# Altium PCB mchf_pro_ui.PcbDoc (part 3 of 5) (continued)
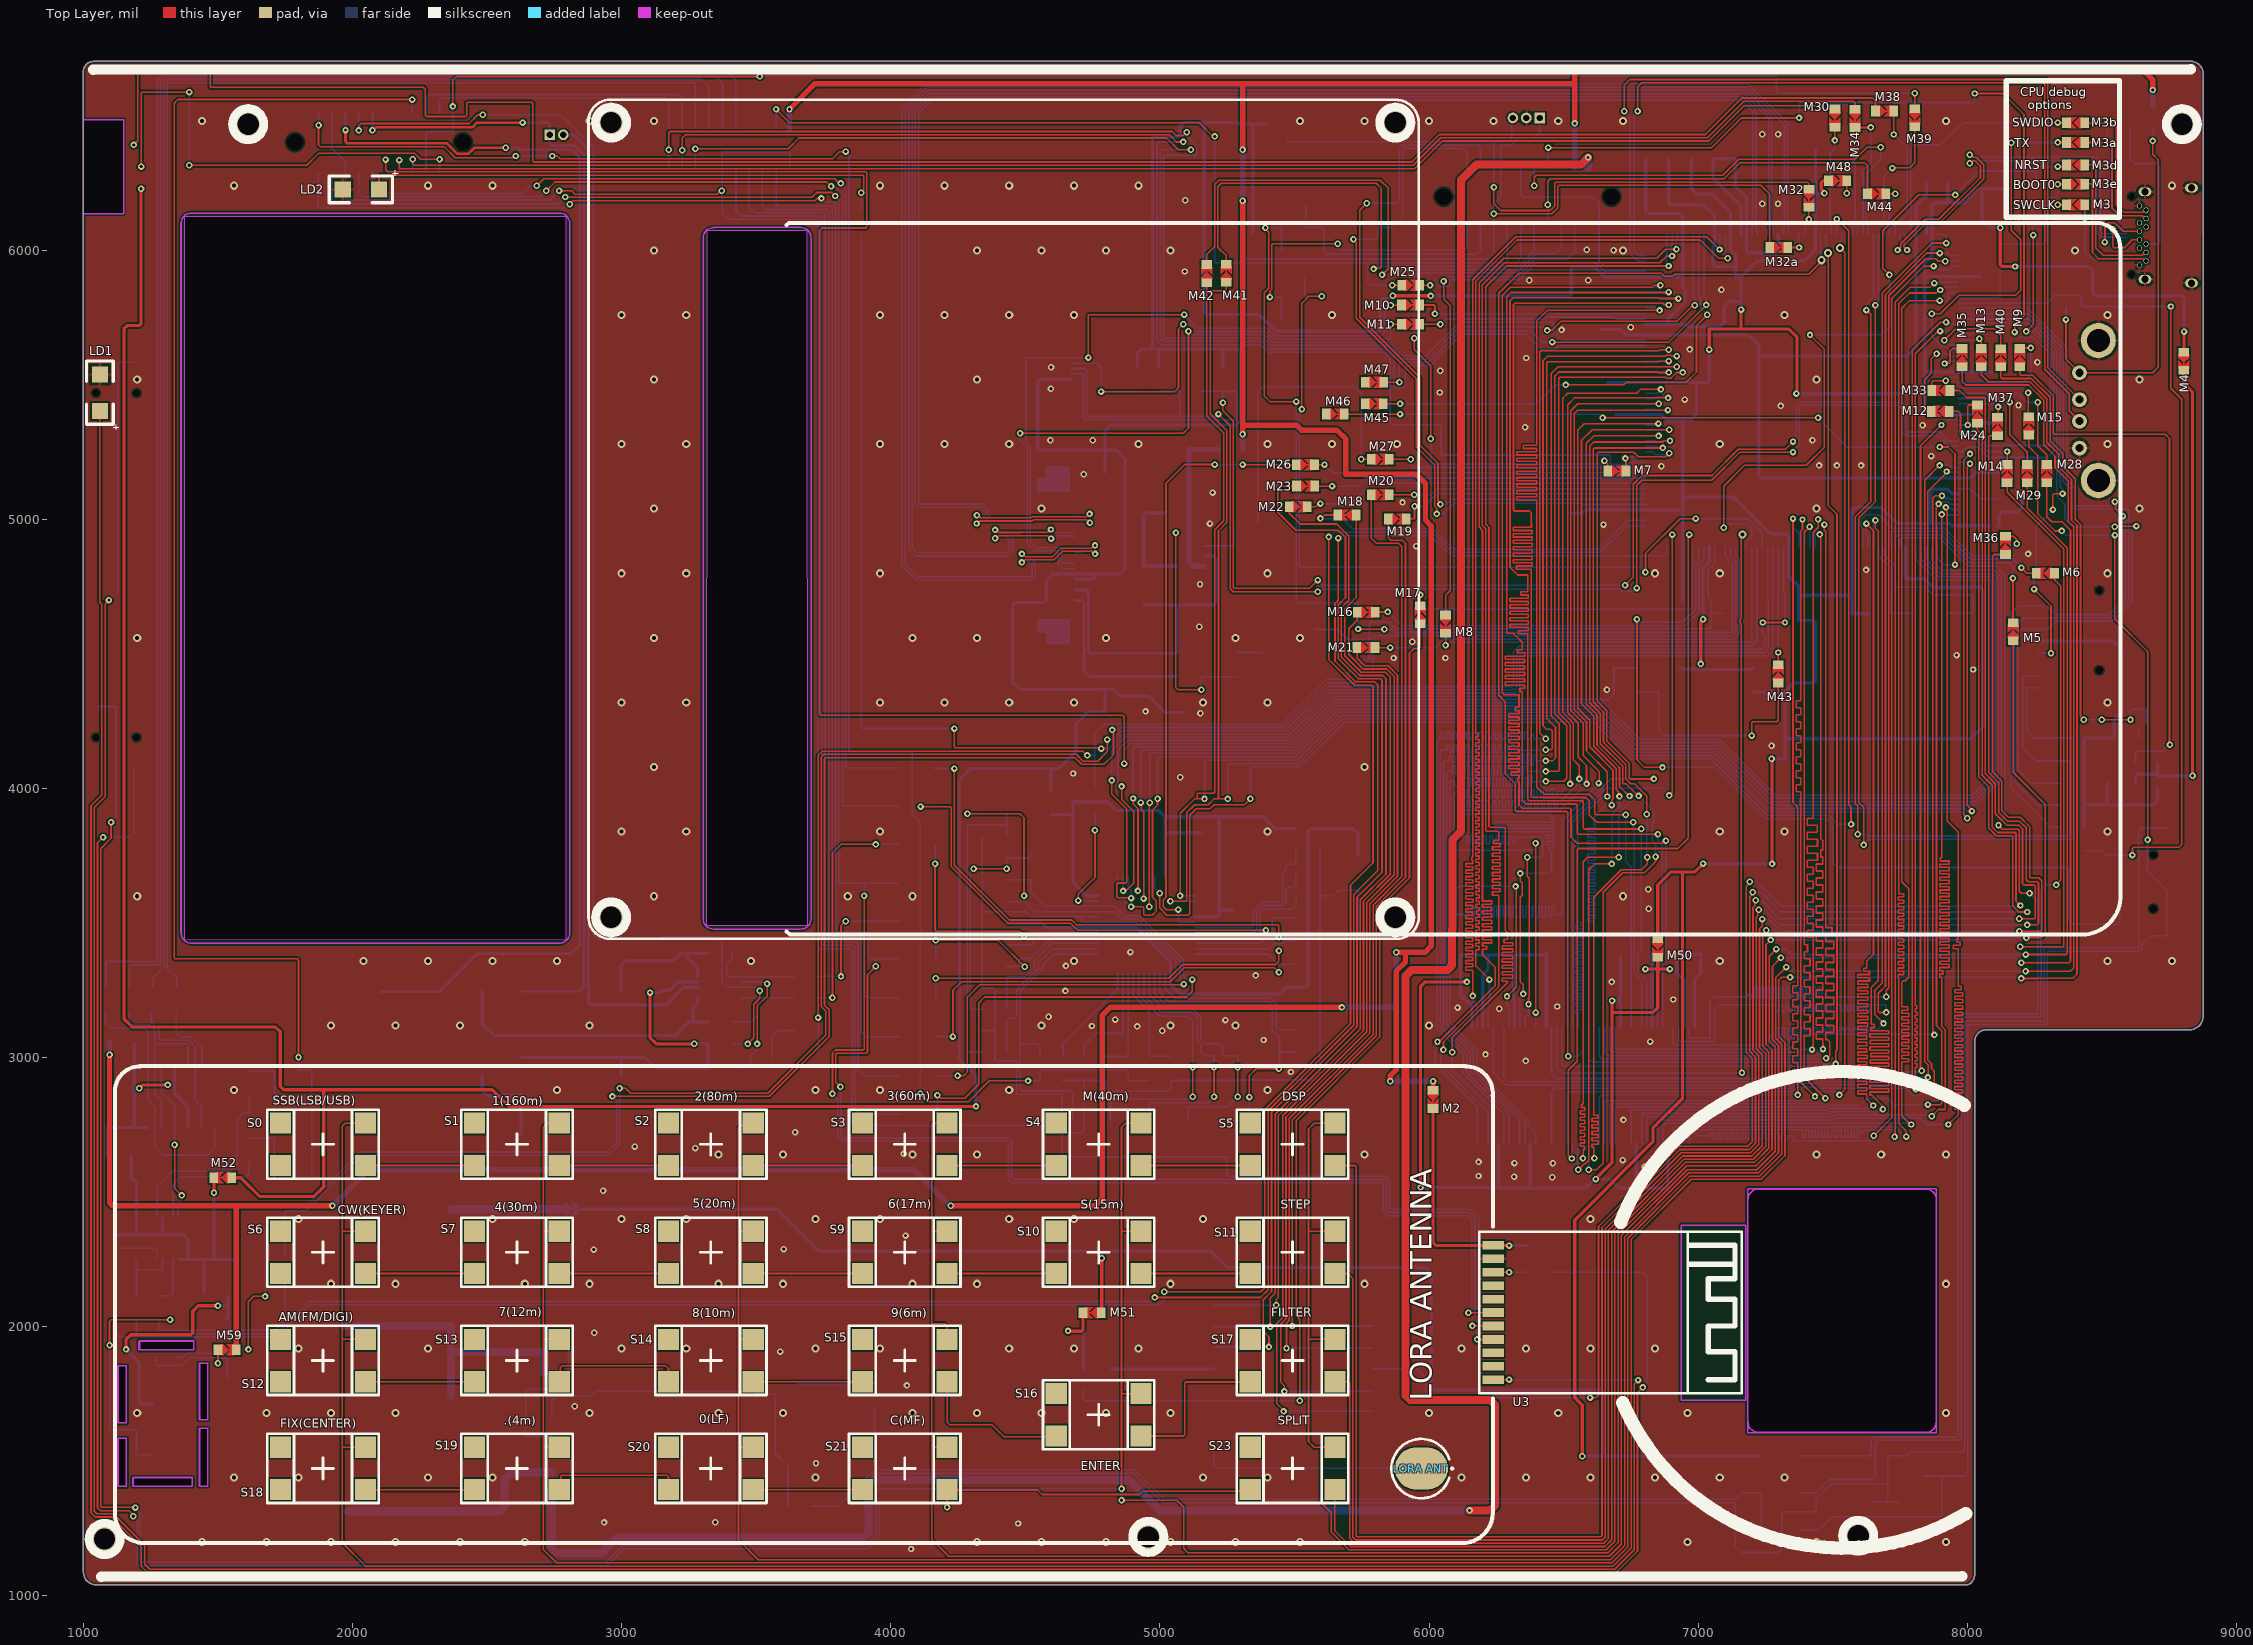
[diagram p0: Top Layer view]
## Nets (pads, with @x,y where several pads share a name; then routed paths per layer and width w, separated by ;. In a path a pad name is that pad's centre, name@x,y a point inside that pad or via, vN(x,y) a via of type N, cw(c..) or ccw(c..) an arc to the next point about the centre after c; other vN are vias at no path point) (continued)
FMC_D24: U5.159 U8.45 | length 4743
  Top Layer w6: v1(7652.1,2710.04) 7719.76,2777.71 7719.76,3788.78 7719.76,5822.21 7839.07,5941.51 7839.15,5941.43 v1(7874.58,5941.43)
  Bottom Layer w6: U8.45@6966.78,2679.53 6966.78,2715.73 6971.07,2720.03 6992.64,2720.03 7002.63,2710.04 7042.02,2710.04 7045.02,2710.04 7045.02,2720.03 7057.02,2720.03 7057.02,2697.66 7069.02,2697.66 7069.02,2720.03 7081.02,2720.03 7081.02,2697.66 7093.02,2697.66 7093.02,2720.03 7105.02,2720.03 7105.02,2697.66 7117.02,2697.66 7117.02,2720.03 7129.02,2720.03 7129.02,2697.66 7141.02,2697.66 7141.02,2720.03 7153.02,2720.03 7153.02,2697.66 7165.02,2697.66 7165.02,2720.03 7177.02,2720.03 7177.02,2697.66 7189.02,2697.66 7189.02,2720.03 7201.02,2720.03 7201.02,2697.66 7213.02,2697.66 7213.02,2720.03 7225.02,2720.03 7225.02,2697.66 7237.02,2697.66 7237.02,2720.03 7249.02,2720.03 7249.02,2697.66 7261.02,2697.66 7261.02,2720.03 7273.02,2720.03 7273.02,2697.66 7285.02,2697.66 7285.02,2720.03 7297.02,2720.03 7297.02,2697.66 7309.02,2697.66 7309.02,2720.03 7321.02,2720.03 7321.02,2698.04 7333.02,2698.04 7333.02,2710.04 7352.61,2710.04 7353.58,2710.04 7353.58,2695.2 7357.1,2691.69 7645.72,2691.69 7649.23,2695.2 7649.23,2707.18 v1(7652.1,2710.04) ; v1(7874.58,5941.43) 7877.52,5941.43 7890.1,5928.85 7934.73,5928.85 7947.39,5941.51 U5.159@7966.5,5941.51 U5.159@7965.39,5940.4
FMC_D25: U5.162 U8.47 | length 4740.6
  Top Layer w6: v1(7729.52,2706.52) 7731.76,2708.76 7731.76,5751.02 7731.94,5751.2 7731.94,5808.2 7785.81,5862.07 7861.6,5862.07 7876.92,5877.38 v1(7876.92,5878.3)
  Bottom Layer w6: U8.47@6927.41,2679.53 6927.41,2728.52 6930.92,2732.03 7372.81,2732.03 7387.81,2732.03 7387.81,2705.58 7399.81,2705.58 7399.81,2732.03 7411.81,2732.03 7411.81,2705.58 7423.81,2705.58 7423.81,2732.03 7435.81,2732.03 7435.81,2705.58 7447.81,2705.58 7447.81,2732.03 7459.81,2732.03 7459.81,2705.58 7471.81,2705.58 7471.81,2732.03 7483.81,2732.03 7483.81,2705.58 7495.81,2705.58 7495.81,2732.03 7507.81,2732.03 7507.81,2705.58 7519.81,2705.58 7519.81,2732.03 7531.81,2732.03 7531.81,2705.58 7543.81,2705.58 7543.81,2732.03 7555.81,2732.03 7555.81,2705.58 7567.81,2705.58 7567.81,2732.03 7579.81,2732.03 7579.81,2705.58 7591.81,2705.58 7591.81,2732.03 7603.81,2732.03 7603.81,2722.01 7615.81,2722.01 7615.81,2732.03 7651.81,2732.03 7726.01,2732.03 7729.52,2728.52 v1(7729.52,2706.52) ; v1(7876.92,5878.3) 7879.96,5881.35 7965.39,5881.35 U5.162@7966.5,5882.46
FMC_D26: U5.163 U8.48 | length 4823.4
  Top Layer w6: v1(7773,2706.98) 7773,2727.31 7744.52,2755.78 7744.52,3294.37 7744.52,3297.37 7743.76,3297.37 7743.76,3309.37 7763.6,3309.37 7763.6,3321.37 7743.76,3321.37 7743.76,3333.37 7763.6,3333.37 7763.6,3345.37 7743.76,3345.37 7743.76,3357.37 7763.6,3357.37 7763.6,3369.37 7743.76,3369.37 7743.76,3381.37 7763.6,3381.37 7763.6,3393.37 7743.76,3393.37 7743.76,3405.37 7763.6,3405.37 7763.6,3417.37 7743.76,3417.37 7743.76,3429.37 7763.6,3429.37 7763.6,3441.37 7743.76,3441.37 7743.76,3453.37 7763.6,3453.37 7763.6,3465.37 7743.76,3465.37 7743.76,3477.37 7763.6,3477.37 7763.6,3489.37 7743.76,3489.37 7743.76,3501.37 7763.6,3501.37 7763.6,3513.37 7743.76,3513.37 7743.76,3525.37 7763.6,3525.37 7763.6,3537.37 7743.76,3537.37 7743.76,3549.37 7763.6,3549.37 7763.6,3561.37 7743.76,3561.37 7743.76,3573.37 7763.6,3573.37 7763.6,3585.37 7743.76,3585.37 7743.76,3597.37 7763.26,3597.37 7763.26,3609.37 7744.52,3609.37 7744.52,3636.79 7744.52,5801 7785.01,5841.48 7883.94,5841.48 7895.04,5852.58 v1(7899.46,5852.58)
  Bottom Layer w6: U8.48@6907.72,2679.53 6907.72,2740.52 6911.24,2744.03 7755.53,2744.03 7773,2726.57 v1(7773,2706.98) ; v1(7899.46,5852.58) 7904.77,5852.58 7914.97,5862.77 U5.163@7966.5,5862.77 U5.163@7966.16,5863.12
FMC_D27: U5.164 U8.50 | length 4773.9
  Top Layer w6: v1@7784.52,2756.78 7756.52,2784.78 7756.52,2969.72 7756.52,2984.72 7782.76,2984.72 7782.76,2996.72 7756.52,2996.72 7756.52,3008.72 7782.76,3008.72 7782.76,3020.72 7756.52,3020.72 7756.52,3032.72 7782.76,3032.72 7782.76,3044.72 7756.52,3044.72 7756.52,3056.72 7782.76,3056.72 7782.76,3068.72 7756.52,3068.72 7756.52,3080.72 7782.76,3080.72 7782.76,3092.72 7756.52,3092.72 7756.52,3104.72 7782.76,3104.72 7782.76,3116.72 7756.52,3116.72 7756.52,3128.72 7782.76,3128.72 7782.76,3140.72 7756.52,3140.72 7756.52,3152.72 7782.76,3152.72 7782.76,3164.72 7756.52,3164.72 7756.52,3176.72 7778.64,3176.72 7778.64,3188.72 7756.52,3188.72 7756.52,3201.05 7756.52,3281.02 7757.65,3281.02 7762.24,3285.6 7769.02,3285.6 7782.76,3299.35 7782.76,3627.33 7756.52,3653.57 7756.52,5784.91 7784.86,5813.25 v1(7897.36,5813.25)
  Bottom Layer w6: U8.50@6868.35,2679.53 6868.35,2747.21 6877.18,2756.03 7782.4,2756.03 7786.65,2751.78 v1(7791.52,2751.78) ; v1(7897.36,5813.25) 7925.03,5813.25 7928.55,5816.76 7928.55,5839.57 7932.06,5843.09 U5.164@7966.5,5843.09
FMC_D28: U5.205 U8.51 | length 4736.9
  Top Layer w6: v1(7920.24,5044.66) 7923.4,5041.5 7923.4,5030.12 7926.01,5027.51 7926.01,3878.96 7966.8,3838.17 7966.8,3464.08 7966.8,3441.29 7961.29,3441.29 7961.29,3429.29 7974.06,3429.29 7974.06,3417.29 7948.01,3417.29 7948.01,3405.29 7966.8,3405.29 7966.8,3402.29 7966.8,3314.75 7966.8,3264.85 7977.9,3264.85 7977.9,3252.85 7953.14,3252.85 7953.14,3240.85 7982.76,3240.85 7982.76,3228.85 7953.14,3228.85 7953.14,3216.85 7982.76,3216.85 7982.76,3204.85 7953.14,3204.85 7953.14,3192.85 7982.76,3192.85 7982.76,3180.85 7953.14,3180.85 7953.14,3168.85 7982.76,3168.85 7982.76,3156.85 7953.14,3156.85 7953.14,3144.85 7982.76,3144.85 7982.76,3132.85 7953.14,3132.85 7953.14,3120.85 7982.76,3120.85 7982.76,3108.85 7953.14,3108.85 7953.14,3096.85 7982.76,3096.85 7982.76,3084.85 7953.14,3084.85 7953.14,3072.85 7982.76,3072.85 7982.76,3060.85 7953.14,3060.85 7953.14,3048.85 7982.76,3048.85 7982.76,3036.85 7953.14,3036.85 7953.14,3024.85 7982.76,3024.85 7982.76,3012.85 7953.14,3012.85 7953.14,3000.85 7982.76,3000.85 7982.76,2988.85 7953.14,2988.85 7953.14,2976.85 7982.76,2976.85 7982.76,2964.85 7953.14,2964.85 7953.14,2952.85 7982.76,2952.85 7982.76,2940.85 7953.14,2940.85 7953.14,2928.85 7982.76,2928.85 7982.76,2916.85 7953.14,2916.85 7953.14,2904.85 7982.76,2904.85 7982.76,2892.85 7953.14,2892.85 7953.14,2880.85 7982.76,2880.85 7982.76,2868.85 7953.14,2868.85 7953.14,2856.85 7982.76,2856.85 7982.76,2844.85 7953.14,2844.85 7953.14,2832.85 7982.76,2832.85 7982.76,2820.85 7953.14,2820.85 7953.14,2808.85 7966.8,2808.85 7966.8,2805.85 7966.8,2789.06 v1(7929.52,2751.78)
  Bottom Layer w6: U8.51@6848.67,2679.53 6848.67,2765.24 6852.18,2768.76 7505.49,2768.76 7512.09,2775.35 7825.71,2775.35 7849.28,2751.78 v1(7929.52,2751.78) ; v1(7920.24,5044.66) 7923.48,5041.42 7936.26,5041.42 7940.69,5036.99 7965.52,5036.99 U5.205@7966.5,5036
FMC_D29: U5.206 U8.53 | length 4734.7
  Top Layer w6: v1(7867.52,2782.56) 7892.75,2807.78 7917.29,2807.78 7917.29,3104.04 7905.29,3116.04 7905.29,3296.09 7905.29,3299.09 7897.45,3299.09 7897.45,3311.09 7910.77,3311.09 7910.77,3323.09 7897.45,3323.09 7897.45,3335.09 7932.56,3335.09 7932.56,3347.09 7897.45,3347.09 7897.45,3359.09 7932.56,3359.09 7932.56,3371.09 7897.45,3371.09 7897.45,3383.09 7932.56,3383.09 7932.56,3395.09 7897.45,3395.09 7897.45,3407.09 7932.56,3407.09 7932.56,3419.09 7897.45,3419.09 7897.45,3431.09 7932.56,3431.09 7932.56,3443.09 7897.45,3443.09 7897.45,3455.09 7932.56,3455.09 7932.56,3467.09 7897.45,3467.09 7897.45,3479.09 7932.56,3479.09 7932.56,3491.09 7897.45,3491.09 7897.45,3503.09 7932.56,3503.09 7932.56,3515.09 7897.45,3515.09 7897.45,3527.09 7932.56,3527.09 7932.56,3539.09 7897.45,3539.09 7897.45,3551.09 7932.56,3551.09 7932.56,3563.09 7897.45,3563.09 7897.45,3575.09 7932.56,3575.09 7932.56,3587.09 7897.45,3587.09 7897.45,3599.09 7932.56,3599.09 7932.56,3611.09 7897.45,3611.09 7897.45,3623.09 7932.56,3623.09 7932.56,3635.09 7897.45,3635.09 7897.45,3647.09 7932.56,3647.09 7932.56,3659.09 7897.45,3659.09 7897.45,3671.09 7932.56,3671.09 7932.56,3683.09 7897.45,3683.09 7897.45,3695.09 7932.56,3695.09 7932.56,3707.09 7897.45,3707.09 7897.45,3719.09 7932.56,3719.09 7932.56,3731.09 7898.73,3731.09 7898.73,3743.09 7905.29,3743.09 7905.29,3772.64 7905.29,4986.3 7905.01,4986.59 v1(7905.01,5018.82)
  Bottom Layer w6: U8.53@6809.3,2679.53 6809.3,2777.24 6812.81,2780.76 7500.52,2780.76 7507.12,2787.35 7830.68,2787.35 7831.96,2786.07 7855.01,2786.07 7855.08,2786 7864.08,2786 v1(7867.52,2782.56) ; v1(7905.01,5018.82) 7905.72,5018.1 7921.99,5018.1 7923.77,5016.32 U5.206@7966.5,5016.32
FMC_D30: U5.13 U8.54 | length 4742.2
  Top Layer w6: v1(7658.38,4996.63) 7658.38,4968.24 7669.35,4957.26 7669.35,3286.94 7642.37,3259.96 7642.37,3159.88 7642.37,3124.42 7653.94,3124.42 7653.94,3112.42 7641.45,3112.42 7641.45,3100.42 7707.76,3100.42 7707.76,3088.42 7638.52,3088.42 7638.52,3076.42 7707.76,3076.42 7707.76,3064.42 7638.81,3064.42 7638.81,3052.42 7707.76,3052.42 7707.76,3040.42 7638.52,3040.42 7638.52,3028.42 7707.76,3028.42 7707.76,3016.42 7640.5,3016.42 7640.5,3004.42 7707.76,3004.42 7707.76,2992.42 7639.58,2992.42 7639.58,2980.42 7707.76,2980.42 7707.76,2968.42 7639.01,2968.42 7639.01,2956.42 7707.76,2956.42 7707.76,2944.42 7638.52,2944.42 7638.52,2932.42 7707.76,2932.42 7707.76,2920.42 7638.52,2920.42 7638.52,2908.42 7707.76,2908.42 7707.76,2896.42 7638.52,2896.42 7638.52,2884.42 7707.76,2884.42 7707.76,2872.42 7638.52,2872.42 7638.52,2860.42 7645.61,2860.42 7648.61,2857.42 7683.25,2822.78 7683.25,2811.62 v1(7686.52,2808.35)
  Bottom Layer w6: U8.54@6789.61,2679.53 6789.61,2789.24 6793.13,2792.76 7486.99,2792.76 7493.59,2799.35 7674.01,2799.35 7683.01,2808.35 v1(7686.52,2808.35) ; U5.13@7651.54,4898.21 7651.54,4984.93 7658.38,4991.76 v1(7658.38,4996.63)
FMC_D31: U5.14 U8.56 | length 4731.7
  Top Layer w6: v1(7624.86,4984.78) 7651.35,4958.29 7651.35,3383.92 7634.51,3367.08 7626.52,3359.09 7626.52,3333.02 7614.88,3333.02 7614.88,3321.02 7636.46,3321.02 7636.46,3309.02 7592.45,3309.02 7592.45,3297.02 7636.46,3297.02 7636.46,3285.02 7592.45,3285.02 7592.45,3273.02 7630.42,3273.02 7630.42,3261.02 7592.45,3261.02 7592.45,3249.02 7630.37,3249.02 7630.37,3237.02 7592.45,3237.02 7592.45,3225.02 7630.37,3225.02 7630.37,3213.02 7592.45,3213.02 7592.45,3201.02 7630.37,3201.02 7630.37,3189.02 7592.45,3189.02 7592.45,3177.02 7630.37,3177.02 7630.37,3165.02 7592.45,3165.02 7592.45,3153.02 7630.37,3153.02 7630.37,3141.02 7592.45,3141.02 7592.45,3129.02 7630.37,3129.02 7630.37,3117.02 7592.45,3117.02 7592.45,3105.02 7626.52,3105.02 7626.52,3093.02 7592.45,3093.02 7592.45,3081.02 7626.52,3081.02 7626.52,3069.02 7592.45,3069.02 7592.45,3057.02 7626.81,3057.02 7626.81,3045.02 7592.45,3045.02 7592.45,3033.02 7626.52,3033.02 7626.52,3021.02 7592.45,3021.02 7592.45,3009.02 7628.5,3009.02 7628.5,2997.02 7592.45,2997.02 7592.45,2985.02 7626.52,2985.02 7626.52,2973.02 7592.45,2973.02 7592.45,2961.02 7627.01,2961.02 7627.01,2949.02 7592.45,2949.02 7592.45,2937.02 7626.52,2937.02 7626.52,2925.02 7592.45,2925.02 7592.45,2913.02 7626.52,2913.02 7626.52,2901.02 7592.45,2901.02 7592.45,2889.02 7626.52,2889.02 7626.52,2877.02 7592.45,2877.02 7592.45,2865.02 7626.52,2865.02 7626.52,2862.02 7626.52,2846.23 v1(7650.25,2822.51)
  Bottom Layer w6: U8.56@6750.24,2679.53 6750.24,2801.24 6753.76,2804.76 7479.88,2804.76 7486.48,2811.35 7637.73,2811.35 7648.89,2822.51 v1(7650.25,2822.51) ; v1(7624.86,4984.78) 7623.52,4983.44 7623.52,4949.6 7631.86,4941.27 U5.14@7631.86,4898.21
FMC_NBL0: U5.197 U8.16 | length 3976.8
  Top Layer w6: v1(7853.55,2926.78) 7855.05,2928.28 7855.05,2972.54 7841.47,2986.12 7841.47,5145.64 v1(7896.76,5200.93)
  Bottom Layer w6: U8.16@6454.97,3112.61 6454.97,2942.18 6474.4,2922.74 7332.93,2922.74 7359.34,2949.16 7438.8,2949.16 7461.17,2926.78 7845.26,2926.78 v1@7853.55,2935.07 ; v1(7896.76,5200.93) 7929.64,5200.93 7937.09,5193.48 U5.197@7966.5,5193.48
FMC_NBL1: U5.198 U8.71 | length 4040.1
  Top Layer w6: v1(7877.52,2878.72) 7877.52,2950.07 7867.05,2960.54 7867.05,2977.51 7853.47,2991.1 7853.47,5104.5 7922.76,5173.8 v1(7922.76,5178.11)
  Bottom Layer w6: U8.71@6454.97,2679.53 6454.97,2874.96 6466.36,2886.36 7347.45,2886.36 7366.26,2905.16 7431.88,2905.16 7449.97,2887.07 7772.35,2887.07 7798.86,2860.55 7823.81,2860.55 7841.98,2878.72 v1(7877.52,2878.72) ; v1(7922.76,5178.11) 7925.96,5174.91 7965.39,5174.91 U5.198@7966.5,5173.8
FMC_NBL2: U5.203 U8.28 | length 3389.5
  Top Layer w6: v1(7877.52,3084.57) 7877.52,3089.44 7872.01,3094.96 7872.01,5078.62 7881.42,5088.03 v1(7905.81,5088.03)
  Bottom Layer w6: U8.28@6691.19,3112.61 6691.19,3035.58 6694.7,3032.07 7338.81,3032.07 7394.52,3087.78 7873.52,3087.78 v1@7877.52,3083.78 ; v1(7905.81,5088.03) 7907.95,5088.03 7918.32,5077.66 7933.91,5077.66 7936.2,5075.37 U5.203@7966.5,5075.37
FMC_NBL3: U5.204 U8.59 | length 3693.7
  Top Layer w6: v1(7853.55,2825.76) 7899.55,2825.76 7905.29,2831.5 7905.29,3099.07 7885.45,3118.92 7885.45,4974.62 7884.01,4976.06 7884.01,5045.27 7893.01,5054.27 v1(7893.01,5057.78)
  Bottom Layer w6: U8.59@6691.19,2679.53 6691.19,2813.24 6694.7,2816.76 7474.73,2816.76 7481.33,2823.35 7601.12,2823.35 7626.01,2848.24 7704.03,2848.24 7726.52,2825.76 v1(7853.55,2825.76) ; v1(7893.01,5057.78) 7896.45,5061.23 7907.11,5061.23 7911.54,5065.66 7928.94,5065.66 7938.91,5055.69 U5.204@7966.5,5055.69
FMC_SDCKE0: U5.48 U8.67 | length 2829.8
  Top Layer w6: v1(6529.76,2625.59) 6529.76,2625.86 6517.54,2638.09 6517.54,2953.68 6550.52,2986.66 6550.52,3773.9 6554.04,3777.41 6924.15,3777.41 6962.57,3815.83 6962.57,4940.37 6963.36,4940.37 v1(6966.88,4943.89)
  Bottom Layer w6: v1(6529.76,2625.59) 6532.59,2628.42 6532.59,2678.42 U8.67@6533.71,2679.53 ; U5.48@6962.56,4898.21 6963.68,4899.32 6963.68,4940.68 v1(6966.88,4943.89)
FMC_SDCLK: U5.138 U8.68 | length 4438.6
  Top Layer w6: v1(7524.52,2861.76) 7545.21,2882.44 7545.21,5991.1 v2(7527.52,6008.78)
  Bottom Layer w6: U8.68@6514.02,2679.53 6514.02,2870.24 6517.54,2873.76 7351.82,2873.76 7368.89,2890.82 7429.25,2890.82 7446.32,2873.76 7512.01,2873.76 7524.01,2861.76 v1(7524.52,2861.76) ; v2(7527.52,6008.78) 7526.77,6009.53 7526.77,6033.85 7533.43,6040.51 U5.138@7533.43,6059.62
FMC_SDNCAS: U5.188 U8.18 | length 4003.2
  Top Layer w6: v1@7825.76,2945.78 7825.76,3800.27 7825.76,5273.65 v1@7905.21,5353.09
  Bottom Layer w6: U8.18@6494.34,3112.61 6494.34,2972.43 6497.85,2968.92 7445.99,2968.92 7467.84,2947.07 7828.81,2947.07 v1@7833.52,2951.78 ; v1(7904.04,5350.96) 7904.04,5351.92 7922.76,5370.65 U5.188@7966.5,5370.65
  other v1: 7830.51,2951.91
FMC_SDNE0: U5.51 U8.20 | length 2204.9
  Top Layer w6: v1(6892.35,3974.57) 6903.51,3985.73 v1(6903.51,4943.89)
  Bottom Layer w6: U8.20@6533.71,3112.61 6533.71,3877.23 6657.26,4000.78 6866.14,4000.78 v1(6892.35,3974.57) ; U5.51@6903.51,4898.21 v1(6903.51,4943.89)
FMC_SDNRAS: U5.67 U8.19 | length 2875.1
  Top Layer w6: v1(6835.5,4035.78) 6749.52,4035.78 6743.45,4041.86 6743.45,4093.47 6660.11,4176.81 6660.11,4289.44 6625.52,4324.03 6625.52,5246.66 6629.04,5250.18 6760.56,5250.18 6777.98,5232.75 6879.78,5232.75 v1(6892.76,5245.73)
  Bottom Layer w6: U8.19@6514.02,3112.61 6514.02,3874.52 6675.29,4035.78 v1(6835.5,4035.78) ; U5.67@6805.08,5252.54 6805.43,5252.19 6831.54,5252.19 6843.97,5239.76 6881.91,5239.76 6887.89,5245.73 v1(6892.76,5245.73)
FMC_SDNWE: U5.38 U8.17 | length 2876.6
  Top Layer w6: v2@7159.42,4935.21 7159.62,4935 7159.62,4928.57 7159.42,4928.37 7159.42,4634.12 7156.79,4631.49 7156.79,4614.09 7159.42,4611.46 7159.42,2947.07 v1(7162.74,2943.74)
  Bottom Layer w6: U8.17@6474.65,3112.61 6474.65,2965.62 6496.91,2943.36 7162.35,2943.36 v1(7162.74,2943.74) ; U5.38@7159.42,4898.21 v2@7159.42,4935.21
  other v2: 7164.21,4943.89
FREE3: M45.1
FREE4: M46.1
FREE5: M47.1
GND: C1.2 C14.1 C15.1 C16.2 C17.2 C18.1 C21.1 C22.1 C23.1 C24.2 C25.2 C26.1 C27.1 C28.2 C30.2 C31.2 C32.2 C33.1 C34.2 C35.2 C37.2 C38.2 C39.2 C40.2 C41.1 C42.2 C43.2 C44.2 C45.1 C46.1 C47.2 C48.1 C49.1 C50.2 C51.1 C52.1 C53.1 C54.2 C55.2 C56.1 C57.2 C60.2 C61.1 C62.2 CC5.2 CC36.2 CC46.2 Cp7.2 Cp17.2 Cp29.2 CP43.1 CP43E.2 Cp44.2 CP44E.2 Cp49.2 Cp56.2 Cp74.2 Cp80.2 CP89.1 Cp100.2 Cp108.2 Cp114.2 Cp117.2 CP119.2 CP119E.2 Cp133.2 CP140.2 CP152.1 Cp155.2 Cp161.2 Cp179.2 Cp187.2 CP199.1 Cp208.2 Cr1.2 Cr3.2 Cr9.2 Cr15.2 Cr29.2 Cr35.2 Cr41.2 Cr43.2 Cr49.2 Cr55.2 Cr75.2 Cr81.2 D1.1 D2.1 D3.1 D4.1 D5.1 D8.1 J1UI.A3 J1UI.A11 J1UI.MP1 J1UI.MP2 J1UI.MP3 J1UI.MP4 J2UI.A3 J2UI.A4 J2UI.A17 J3UI.A16 J3UI.A17 J3UI.MP1 J3UI.MP2 J3UI.MP3 J3UI.MP4 J4.A1 J4.A12 J4.B1 J4.B12 J4.MH3 J4.MH4 J4.MH5 J4.MH6 J5.1 J5.5 J5.6 J6.6 J6.9 J7.10 J7.13 J7.16 J7.19 J7.20 J8.1 J8.8 LD1.2 LD2.2 M1.1 P1.2 Q1.2 Q2.2 R17.2 R18.1 R22.1 R23.2 R34.1 R35.2 R38.2 R41.2 R43.1 R46.1 R56.2 R58.2 S24.3 U1.3 U1.4 U1.45 U2.4 U3.2 U4.2 U5.6 U5.16 U5.18 U5.20 U5.21 U5.28 U5.42 U5.50 U5.55 U5.73 U5.79 U5.90 U5.99 U5.109 U5.113 U5.118 U5.123 U5.129 U5.132 U5.139 U5.153 U5.160 U5.178 U5.186 U5.200 U5.207 U6.3 U7.2 U8.6 U8.12 U8.32 U8.38 U8.44 U8.46 U8.52 U8.58 U8.72 U8.78 U8.84 U8.86 U9.2 U10.1 U10.8 U10.10 U11.8 U12.7 U13.2 U14.3
  other v1: 4075.17,1174.55 4473.1,1269.36 2934.77,1273.32 3348.1,1274.28 3722.11,1492.78 2825.46,1705.38 4059.71,1782.15 3589.24,1908.14 2897.96,1978.02 2896.32,2287.07 3602.03,2289.04 4054.79,2339.24 2930.92,2506.08 6458.1,2556.24 6315.97,2557.86 6184.02,2560.52 6801.02,2595.37 6460.02,2607.59 6317.17,2608.63 6183.97,2612.61 6719.45,2619.57 4047.9,2642.39 3273.29,2664.04 3048.88,2669.95 3644.36,2723.1 6722.34,2768.76 5486.74,2946.89 6359.49,2988.23 6209.64,3012.23 6821.98,3059.89 5385.06,3065.81 5008.77,3099.91 4915.88,3116.25 4747.28,3117.89 5243.5,3139.98 4834.13,3141.62 4586.24,3151.98 6260.51,3182.06 6106.06,3186.35 6476.64,3190.28 6907.32,3216.23 4648.88,3248.32 6678.92,3281.6 5355.62,3305.73 4650.52,3341.21 4890.22,3392.66 6816.2,3553.89 6814.64,3626.09 5075.45,4042.51 4677.38,4056.07 7272.43,4159.12 5150.26,4280.18 4946.79,4286.87 6660.9,4366.98 8021.25,4442.4 5868.28,4485.11 6060.93,4485.11 7959.96,4495.96 5937.36,4545.76 5146.32,4601.07 5148.89,4759.29 7623.92,4812.32 8225.87,4872 5952.6,4901.18 6648.11,4980.89 5185.53,4984.56 5901.26,5063.07 5195.53,5099.65 4717.04,5167.99 6863.26,5197.82 7449.33,5200.93 7515.52,5200.93 7605.07,5200.93 7865.58,5235.34 4592.92,5293.95 7424.29,5294.35 4750.61,5294.55 6356.92,5342.27 7833.71,5349.8 7307.05,5421.86 8190.14,5423.94 6949.99,5445.43 6039.53,5471.68 4594.93,5485.25 6041.5,5552.46 4595.32,5565.39 8260.4,5584.47 6361.44,5599.89 6968.52,5631.74 6492.19,5704.21 6749.2,5714.52 7086.37,5853.17 6372.55,5888.41 6591.4,5888.41 5091.91,5921.28 6685.72,6000.62 6586.16,6001.82 7237.74,6172.93 7296.52,6173.07 5094.17,6186.15 7238.16,6431.19 7296.9,6431.21
  other v2: 1440,1200 1680,1200 1920,1200 2160,1200 2400,1200 2640,1200 4320,1200 4560,1200 4800,1200 5040,1200 5280,1200 5520,1200 6960,1200 7440,1200 7680,1200 7920,1200 1560,1440 1800,1440 2280,1440 2520,1440 3720,1440 5160,1440 5400,1440 6120,1440 6360,1440 6600,1440 6840,1440 7080,1440 7320,1440 1200,1680 1680,1680 1920,1680 2160,1680 2880,1680 3360,1680 3600,1680 4080,1680 4320,1680 4560,1680 4800,1680 5040,1680 6000,1680 6480,1680 6960,1680 7920,1680 1800,1920 2280,1920 3000,1920 3240,1920 3720,1920 3960,1920 4440,1920 4680,1920 4920,1920 6120,1920 6360,1920 6600,1920 6840,1920 1920,2160 2160,2160 2640,2160 2880,2160 3360,2160 3600,2160 4080,2160 4320,2160 5040,2160 5760,2160 7920,2160 1800,2400 2520,2400 3000,2400 3240,2400 3720,2400 3960,2400 4440,2400 4680,2400 5160,2400 6600,2400 3360,2640 3600,2640 4080,2640 4320,2640 5760,2640 7440,2640 7680,2640 7920,2640 1560,2880 2760,2880 3720,2880 3960,2880 4440,2880 5400,2880 1920,3120 2160,3120 2400,3120 2880,3120 4560,3120 5040,3120 5280,3120 6000,3120 2040,3360 2280,3360 2520,3360 2760,3360 3480,3360 4680,3360 7080,3360 8520,3360 8760,3360 1200,3600 3120,3600 3840,3600 4080,3600 6720,3600 3000,3840 3240,3840 3960,3840 5400,3840 7080,3840 7320,3840 8520,3840 3120,4080 5760,4080 3000,4320 3240,4320 3960,4320 4200,4320 4440,4320 4680,4320 5160,4320 5400,4320 8520,4320 1200,4560 3120,4560 4080,4560 4320,4560 4800,4560 5280,4560 5520,4560 3000,4800 3240,4800 3960,4800 5400,4800 6840,4800 7080,4800 8520,4800 3120,5040 4560,5040 7440,5040 8640,5040 3000,5280 3240,5280 3960,5280 4200,5280 4440,5280 4920,5280 5400,5280 5640,5280 5880,5280 7080,5280 8520,5280 1200,5520 3120,5520 4320,5520 7440,5520 8640,5520 3000,5760 3240,5760 3960,5760 4200,5760 4440,5760 4680,5760 5640,5760 7320,5760 8520,5760 3120,6000 4320,6000 4560,6000 4800,6000 5040,6000 6720,6000 8400,6000 1560,6240 2280,6240 2520,6240 3960,6240 4200,6240 4440,6240 4680,6240 4920,6240 8760,6240 1440,6480 2880,6480 3120,6480 5520,6480 5760,6480 6000,6480 6240,6480 6480,6480 6720,6480 7920,6480
IMD3_TEST: C58.1 C59.2 J3UI.A18 | length 5495.7
  Top Layer w6: v1(1799.21,3001.97) 1799.21,3363.68 1795.7,3367.2 1340.8,3367.2 1337.29,3370.71 1337.29,6546.38 1351.17,6560.26 v1(2222.05,6560.26)
  Bottom Layer w6: C58.1@1799.21,2546.02 C58.1@1799.29,2545.94 ; v1(1799.21,3001.97) 1799.21,2951.62 C59.2@1800.04,2950.79 ; C59.2@1799.29,2954.31 1844.28,2954.31 1847.8,2950.79 1847.8,2549.46 1844.28,2545.94 C58.1@1800.04,2545.94 ; v1(2222.05,6560.26) 2222.05,6510.82 J3UI.A18@2223.03,6509.84
IMD3_TEST1: R55.1 U11.9 | length 462
  Bottom Layer w6: U11.9@1333.09,2411.64 1333.09,2530.57 1359.61,2557.09 1603.35,2557.09 1615.16,2568.9 1615.16,2611.22 R55.1@1617.13,2613.19
IMD3_TEST2: R57.1 U11.6 | length 727.1
  Bottom Layer w6: U11.6@1274.04,2411.64 1274.04,2523.3 1329.48,2578.74 1545.28,2578.74 1571.85,2605.32 1571.85,2769.68 1597.44,2795.28 1612.99,2795.28 1616.51,2798.79 1616.51,2859.44 R57.1@1615.16,2860.79
JC_CLK1: M56.2 U12.5 U12.12 | length 737
  Bottom Layer w6: M56.2@1169.12,3172.67 1169.12,3126.34 1172.63,3122.82 1244.95,3122.82 1264.4,3103.38 1264.4,2865.92 1288.72,2841.6 U12.12@1288.72,2740.46 ; 1264.4,3052.46 1382.86,3052.46 1388.72,3046.6 U12.5@1388.72,2960.46
JC_CLK2: M58.2 U12.6 | length 277.7
  Bottom Layer w6: M58.2@1347.8,3172.67 1344.57,3169.43 1344.57,3092.4 1360.37,3076.6 1401.36,3076.6 1440.09,3037.87 1440.09,2961.82 U12.6@1438.72,2960.46
JC_CLK3: M57.2 U12.9 | length 570.2
  Bottom Layer w6: M57.2@1254.46,3172.67 1253.01,3171.21 1253.01,3131.74 1269.73,3115.02 1281.01,3103.74 1281.01,3070.96 1287.37,3064.6 1390.62,3064.6 1414.53,3040.69 1414.53,2843.62 1438.72,2819.43 U12.9@1438.72,2740.46
JC_CLK4: M55.2 U12.2 U12.8 | length 978.9
  Bottom Layer w6: M55.2@1083.77,3172.67 1081.86,3170.76 1081.86,3130.46 1102.75,3109.57 1228.8,3109.57 1238.72,3099.65 U12.2@1238.72,2960.46 1238.72,2843.83 1264.4,2818.15 1264.4,2668.11 1293.27,2639.24 1296.56,2639.24 1297.34,2638.46 1463.91,2638.46 1488.72,2663.27 U12.8@1488.72,2740.46
KEYPAD_X1: M13.1 S0.3 S6.3 S12.3 S18.3 | length 12874.2
  Top Layer w6: S18.3@2047.64,1552.56 1961.61,1552.56 ; S12.3@2047.64,1953.54 1961.61,1953.54 ; S6.3@2047.64,2355.51 1961.61,2355.51 ; S0.3@2047.64,2756.85 1972.4,2756.85 1961.61,2746.06 1961.61,2355.51 ; v1(7341.54,3299.09) 7341.28,3299.35 7310.52,3299.35 7299.9,3288.73 7299.9,3078.19 7322.39,3055.71 7322.39,2636.87 7233.62,2548.1 6974.41,2548.1 6750.57,2324.26 6750.57,1177.25 6684.44,1111.12 2048.33,1111.12 1961.61,1197.83 1961.61,1552.56 ; M13.1@8051.83,5567.6 8051.83,5537.46 8077.58,5511.71 8232.56,5511.71 8295.57,5448.7 8295.57,5286.75 8340.32,5242 8340.32,5194.55 8386.92,5147.95 8386.92,4997.64 8407.25,4977.3 8407.25,3310.32 8391.63,3294.7 8261.69,3294.7 8261.45,3294.45 v1(8200.2,3294.45) ; 1961.61,1552.56 1961.61,1953.54 ; 1961.61,1953.54 1961.61,2355.51
  Bottom Layer w6: v1(7341.54,3299.09) 8195.56,3299.09 v1(8200.2,3294.45)
KEYPAD_X2: M35.1 S1.3 S7.3 S13.3 S19.3 | length 12079.5
  Top Layer w6: S19.3@2768.31,1552.56 2766.87,1554 2714,1554 2709,1559 ; S13.3@2768.31,1953.54 2709,1953.54 ; S7.3@2768.31,2355.51 2709,2355.51 ; S1.3@2768.31,2756.85 2767.91,2756.45 2723.45,2756.45 2709,2742 2709,2355.51 ; v1(7326.77,3336.61) 7287.9,3297.74 7287.9,3072.85 7310.39,3050.36 7310.39,2641.84 7228.65,2560.1 6969.44,2560.1 6738.57,2329.23 6738.57,1182.22 6679.47,1123.12 2758.77,1123.12 2709,1172.89 2709,1559 ; M35.1@7980.54,5565.6 7980.54,5512.69 7993.53,5499.71 8227.59,5499.71 8283.57,5443.73 8283.57,5277.8 8325.84,5235.53 8325.84,5192.06 8374.92,5142.98 8374.92,4992.67 8395.25,4972.33 8395.25,3333.39 8382.88,3321.02 v1(8216.54,3321.02) ; 2709,1559 2709,1953.54 ; 2709,1953.54 2709,2355.51
  Bottom Layer w6: v1(7326.77,3336.61) 7342.36,3321.02 v1(8216.54,3321.02)
KEYPAD_X3: M28.1 S2.3 S8.3 S14.3 S20.3 | length 10620.2
  Top Layer w6: S20.3@3488.78,1552.56 3443.56,1552.56 3442.49,1551.49 3437.51,1551.49 3434,1555 ; S14.3@3488.78,1953.54 3434,1953.54 ; S8.3@3488.78,2355.51 3434,2355.51 ; S2.3@3488.78,2756.85 3479.85,2747.92 3443.92,2747.92 3434,2738 3434,2355.51 ; v1(7307.21,3371.09) 7275.9,3339.78 7275.9,3066.9 7298.39,3044.42 7298.39,2646.81 7223.68,2572.1 6964.47,2572.1 6726.57,2334.2 6726.57,1187.19 6674.5,1135.12 3507.79,1135.12 3434,1208.91 3434,1555 ; v1(8201.14,3352.82) 8377.25,3352.82 8383.25,3358.82 8383.25,4959.61 8351.83,4991.04 8313.96,4991.04 8294.86,5010.14 M28.1@8294.86,5136.62 ; 3434,1555 3434,1953.54 ; 3434,1953.54 3434,2355.51
  Bottom Layer w6: v1(7307.21,3371.09) 8176.72,3371.09 8194.99,3352.82 v1(8201.14,3352.82)
KEYPAD_X4: M29.1 S3.3 S9.3 S15.3 S21.3 | length 9958.1
  Top Layer w6: S21.3@4209.25,1552.56 4209.21,1552.6 4164.4,1552.6 4152.46,1564.54 ; S15.3@4209.25,1953.54 4209.25,2001.75 4200,2011 4152.46,2011 ; S9.3@4209.25,2355.51 4152.46,2355.51 ; S3.3@4209.25,2756.85 4155.98,2756.85 4152.46,2753.34 4152.46,2355.51 ; v1(7290.35,3403.78) 7263.9,3377.33 7263.9,3061.93 7286.39,3039.45 7286.39,2652.46 7218.03,2584.1 6959.5,2584.1 6714.57,2339.17 6714.57,1192.16 6669.53,1147.12 4215.09,1147.12 4152.46,1209.74 4152.46,1564.54 ; v1(8216.87,3383.37) 8367.74,3383.37 8371.25,3386.88 8371.25,4894.21 8222.85,5042.61 M29.1@8222.85,5136.62 ; 4152.46,1564.54 4152.46,2011 ; 4152.46,2011 4152.46,2355.51
  Bottom Layer w6: v1(7290.35,3403.78) 7324.78,3403.78 7345.2,3383.37 v1(8216.87,3383.37)
KEYPAD_X5: M14.1 S4.3 S10.3 S16.3 S22.1 | length 16451.7
  Top Layer w6: v1(1102.62,3874.65) 1102.62,3815.22 1064.2,3776.8 1064.2,1332.83 1067.72,1329.32 1192.34,1329.32 v1(1193.29,1328.37) ; v1(4857.28,1356.1) 5062.07,1356.1 5088.45,1329.72 5088.45,1176.84 5105.35,1159.94 6663.68,1159.94 6702.34,1198.6 6702.34,2343.91 6957.37,2598.94 7214.4,2598.94 7274.39,2658.93 7274.39,3028.55 7251.9,3051.04 7251.9,3419.93 v1(7269.51,3437.54) ; v1(4857.28,1398.1) 4857.28,1751.97 ; S16.3@4929.72,1751.97 4857.28,1751.97 ; S10.3@4929.72,2355.51 4857.28,2355.51 ; S4.3@4929.72,2756.85 4872.99,2756.85 4857.28,2741.14 4857.28,2355.51 ; M14.1@8147.86,5136.62 8147.86,5100.63 8205.93,5042.56 8358.91,4889.58 8358.91,3415.92 8355.39,3412.4 v1(8196.61,3412.4) ; 4857.28,1751.97 4857.28,2355.51
  Bottom Layer w6: S22.1@1057.05,4305.16 1117.45,4305.16 1120.97,4301.64 1120.97,3892.99 v1(1102.62,3874.65) ; v1(1193.29,1328.37) 1211.36,1310.29 1211.36,1128.18 1214.88,1124.66 2940.61,1124.66 3004.17,1188.23 3910.67,1188.23 3943.66,1221.21 3943.66,1394.59 3947.17,1398.1 v1(4857.28,1398.1) v1(4857.28,1356.1) ; v1(7269.51,3437.54) 8171.47,3437.54 v1(8196.61,3412.4)
KEYPAD_X6: M5.1 S5.3 S11.3 S17.3 S23.3 | length 7860.7
  Top Layer w6: S23.3@5650.2,1552.56 5599.36,1552.56 ; S17.3@5650.2,1953.54 5552.17,1953.54 ; S11.3@5650.2,2355.51 5552.17,2355.51 ; S5.3@5650.2,2756.85 5573.78,2756.85 5552.17,2735.24 5552.17,2355.51 ; v1(7252.58,3473.7) 7252.58,3469.35 7239.9,3456.67 7239.9,3043.34 7262.39,3020.85 7262.39,2663.9 7209.43,2610.94 6952.4,2610.94 6690.34,2348.88 6690.34,1203.57 6658.71,1171.94 5702.71,1171.94 5636.81,1237.84 5636.81,1308.96 5599.36,1346.41 5599.36,1552.56 ; M5.1@8170.21,4549.21 8170.21,4060.24 8289.76,3940.69 8289.76,3461.63 8273.19,3445.07 v1(8219.59,3445.07) ; 5552.17,1953.54 5552.17,2355.51 ; 5552.17,1953.54 5552.17,1573.82 5573.43,1552.56 5599.36,1552.56
  Bottom Layer w6: v1(7252.58,3473.7) 7286.76,3473.7 7310.91,3449.54 8176.44,3449.54 8180.92,3445.07 v1(8219.59,3445.07)